# Altium PCB PCB1.PcbDoc (part 1 of 6)
Units mil, origin at the board's own origin, x right, y up, seen from the top; angles counter-clockwise.
Board outline 6000 x 4000 mil, 2 copper layers (Top Layer, Bottom Layer); 1225 components, 1503 nets, 4471 pads, 66 vias.
Unrouted connection lines stored in the file: 2021.
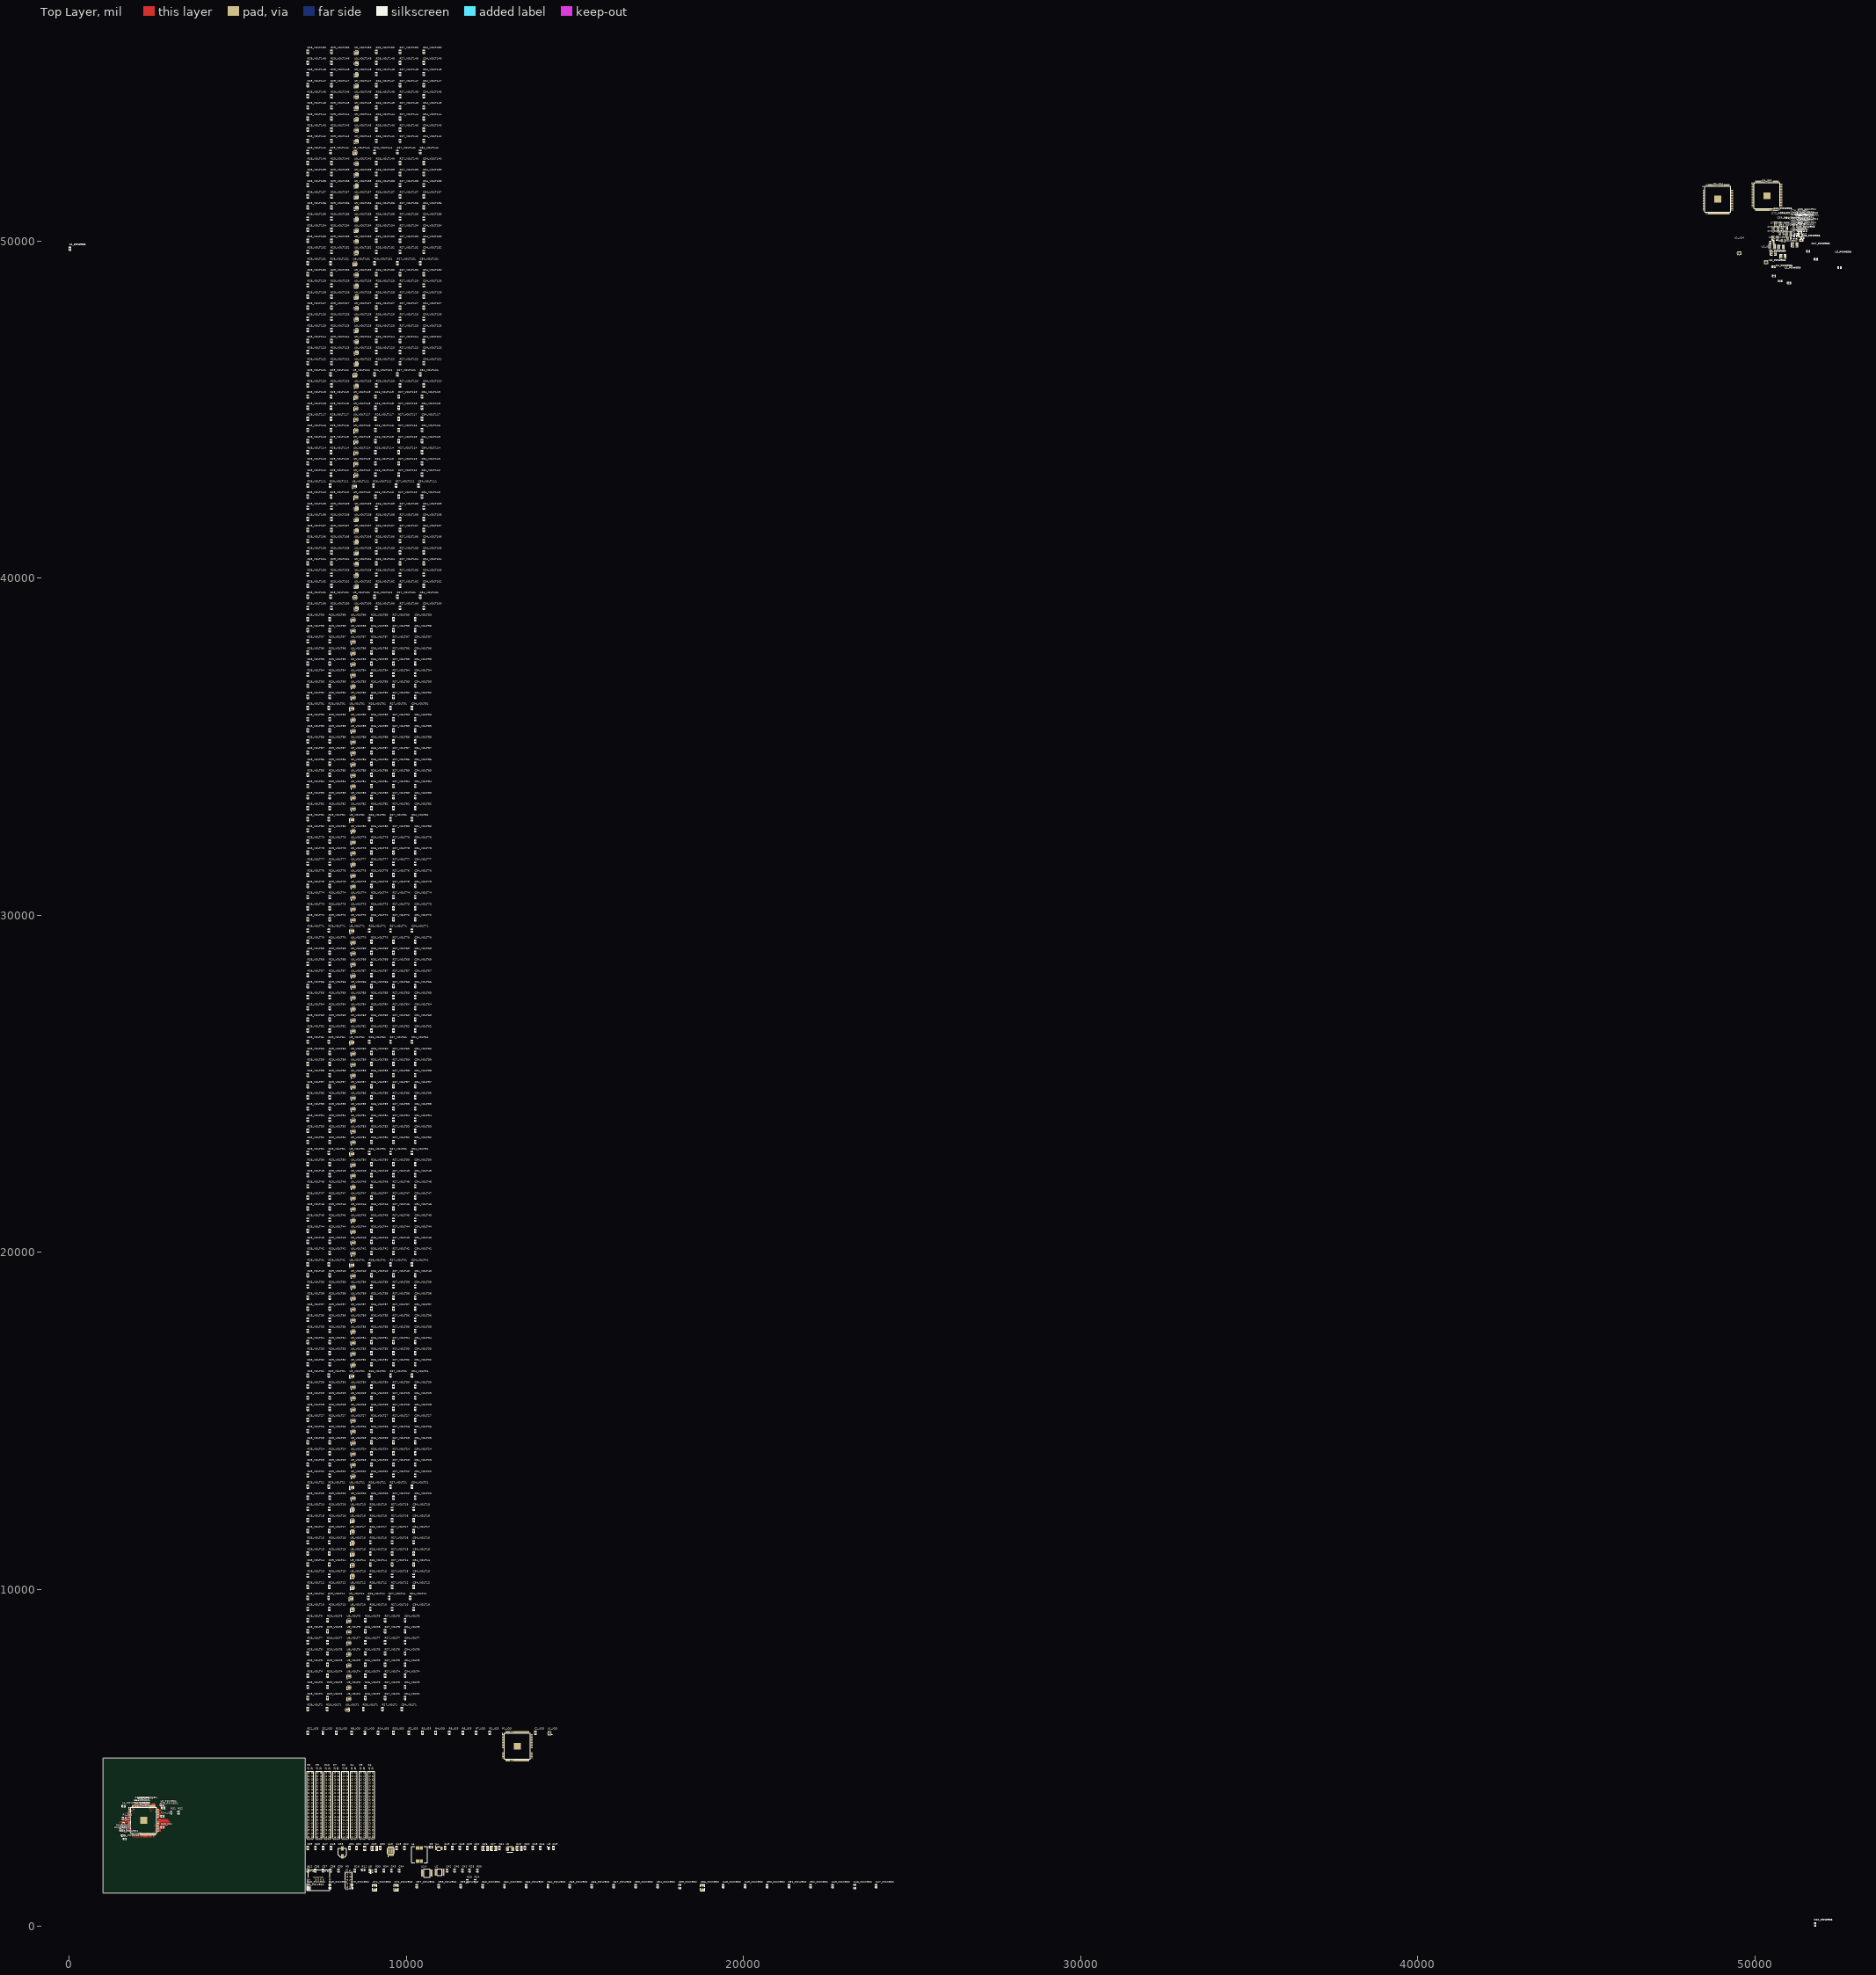
[diagram p0: Top Layer view]
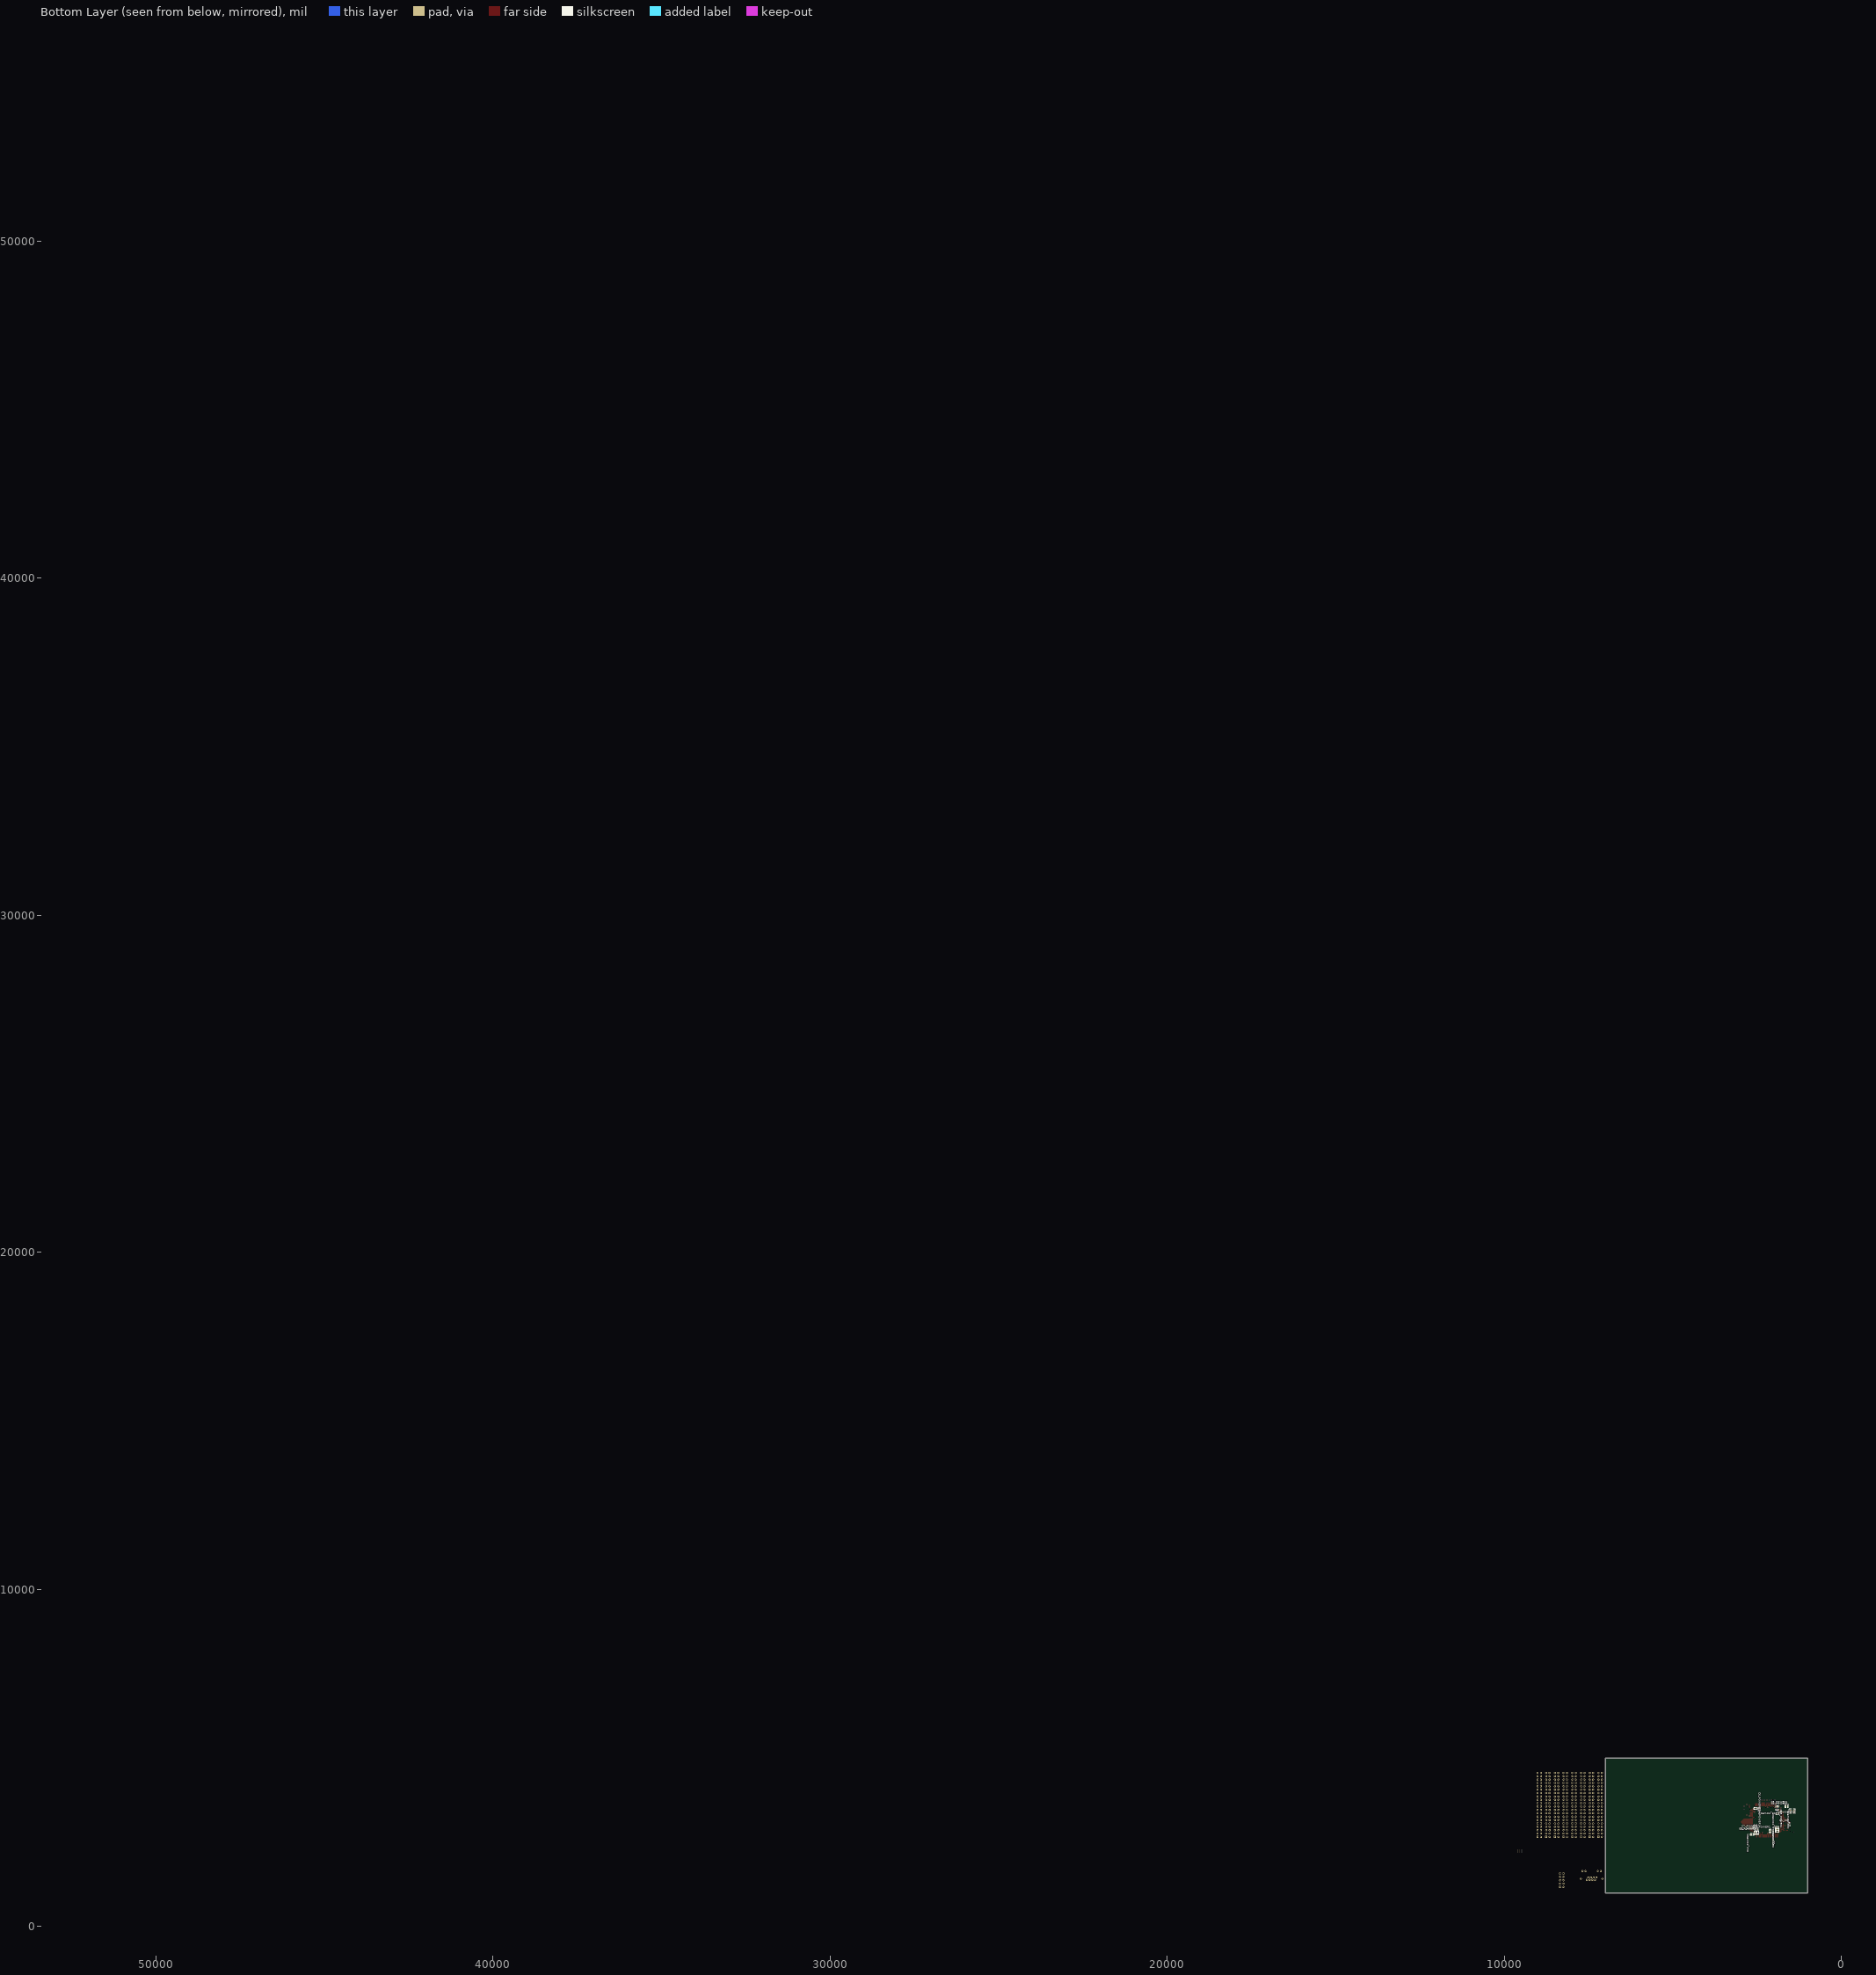
[diagram p1: Bottom Layer view, seen from below]

## Layer stack, top to bottom
Top Solder: solder mask 0.4, Solder Resist, Dk 3.5
Top Layer: signal copper 1.4
Dielectric 1: dielectric 12.6, FR-4, Dk 4.8
Bottom Layer: signal copper 1.4
Bottom Solder: solder mask 0.4, Solder Resist, Dk 3.5

## Board outline
1000,1000 7000,1000 7000,5000 1000,5000

## Design rules (kind name [scope] priority, off if disabled: settings)
Clearance [All] p1: gap=7 ignorepadtopadclearanceinfootprint=FALSE
ComponentClearance [All] p1: gap=0 collisioncheckmode=3 verticalgap=0 showdistances=FALSE
PolygonConnect [All] p1: connectstyle=Relief reliefconductorwidth=10 reliefentries=4 polygonreliefangle="90 Angle" airgapwidth=10
RoomDefinition POWER4 [InComponentClass('POWER4')] p1: confinementstyle=ConfineIn formatcopy=TRUE lockcomponents=FALSE outline 7045,1060 50385,1060 50385,50505 7045,50505
RoomDefinition POWER3 [InComponentClass('POWER3')] p2: confinementstyle=ConfineIn formatcopy=TRUE lockcomponents=FALSE outline 7045,1060 50385,1060 50385,50505 7045,50505
RoomDefinition POWER2 [InComponentClass('POWER2')] p3: confinementstyle=ConfineIn formatcopy=TRUE lockcomponents=FALSE outline 7045,1060 50385,1060 50385,50505 7045,50505
RoomDefinition POWER1 [InComponentClass('POWER1')] p4: confinementstyle=ConfineIn formatcopy=TRUE lockcomponents=FALSE outline 7045,1060 50385,1060 50385,50505 7045,50505
RoomDefinition VOLT150 [InComponentClass('VOLT150')] p5: confinementstyle=ConfineIn formatcopy=TRUE lockcomponents=FALSE outline 7045,55515 11150,55515 11150,55795 7045,55795
RoomDefinition VOLT149 [InComponentClass('VOLT149')] p6: confinementstyle=ConfineIn formatcopy=TRUE lockcomponents=FALSE outline 7045,55185 11150,55185 11150,55465 7045,55465
RoomDefinition VOLT148 [InComponentClass('VOLT148')] p7: confinementstyle=ConfineIn formatcopy=TRUE lockcomponents=FALSE outline 7045,54855 11150,54855 11150,55135 7045,55135
RoomDefinition VOLT147 [InComponentClass('VOLT147')] p8: confinementstyle=ConfineIn formatcopy=TRUE lockcomponents=FALSE outline 7045,54525 11150,54525 11150,54805 7045,54805
RoomDefinition VOLT146 [InComponentClass('VOLT146')] p9: confinementstyle=ConfineIn formatcopy=TRUE lockcomponents=FALSE outline 7045,54195 11150,54195 11150,54475 7045,54475
RoomDefinition VOLT145 [InComponentClass('VOLT145')] p10: confinementstyle=ConfineIn formatcopy=TRUE lockcomponents=FALSE outline 7045,53865 11150,53865 11150,54145 7045,54145
RoomDefinition VOLT144 [InComponentClass('VOLT144')] p11: confinementstyle=ConfineIn formatcopy=TRUE lockcomponents=FALSE outline 7045,53535 11150,53535 11150,53815 7045,53815
RoomDefinition VOLT143 [InComponentClass('VOLT143')] p12: confinementstyle=ConfineIn formatcopy=TRUE lockcomponents=FALSE outline 7045,53205 11150,53205 11150,53485 7045,53485
RoomDefinition VOLT142 [InComponentClass('VOLT142')] p13: confinementstyle=ConfineIn formatcopy=TRUE lockcomponents=FALSE outline 7045,52875 11150,52875 11150,53155 7045,53155
RoomDefinition VOLT141 [InComponentClass('VOLT141')] p14: confinementstyle=ConfineIn formatcopy=TRUE lockcomponents=FALSE outline 7045,52545 11030,52545 11030,52825 7045,52825
RoomDefinition VOLT140 [InComponentClass('VOLT140')] p15: confinementstyle=ConfineIn formatcopy=TRUE lockcomponents=FALSE outline 7045,52215 11150,52215 11150,52495 7045,52495
RoomDefinition VOLT139 [InComponentClass('VOLT139')] p16: confinementstyle=ConfineIn formatcopy=TRUE lockcomponents=FALSE outline 7045,51885 11150,51885 11150,52165 7045,52165
RoomDefinition VOLT138 [InComponentClass('VOLT138')] p17: confinementstyle=ConfineIn formatcopy=TRUE lockcomponents=FALSE outline 7045,51555 11150,51555 11150,51835 7045,51835
RoomDefinition VOLT137 [InComponentClass('VOLT137')] p18: confinementstyle=ConfineIn formatcopy=TRUE lockcomponents=FALSE outline 7045,51225 11150,51225 11150,51505 7045,51505
RoomDefinition VOLT136 [InComponentClass('VOLT136')] p19: confinementstyle=ConfineIn formatcopy=TRUE lockcomponents=FALSE outline 7045,50895 11150,50895 11150,51175 7045,51175
RoomDefinition VOLT135 [InComponentClass('VOLT135')] p20: confinementstyle=ConfineIn formatcopy=TRUE lockcomponents=FALSE outline 7045,50565 11150,50565 11150,50845 7045,50845
RoomDefinition VOLT134 [InComponentClass('VOLT134')] p21: confinementstyle=ConfineIn formatcopy=TRUE lockcomponents=FALSE outline 7045,50235 11150,50235 11150,50515 7045,50515
RoomDefinition VOLT133 [InComponentClass('VOLT133')] p22: confinementstyle=ConfineIn formatcopy=TRUE lockcomponents=FALSE outline 7045,49905 11150,49905 11150,50185 7045,50185
RoomDefinition VOLT132 [InComponentClass('VOLT132')] p23: confinementstyle=ConfineIn formatcopy=TRUE lockcomponents=FALSE outline 7045,49575 11150,49575 11150,49855 7045,49855
RoomDefinition VOLT131 [InComponentClass('VOLT131')] p24: confinementstyle=ConfineIn formatcopy=TRUE lockcomponents=FALSE outline 7045,49245 11030,49245 11030,49525 7045,49525
RoomDefinition VOLT130 [InComponentClass('VOLT130')] p25: confinementstyle=ConfineIn formatcopy=TRUE lockcomponents=FALSE outline 7045,48915 11150,48915 11150,49195 7045,49195
RoomDefinition VOLT129 [InComponentClass('VOLT129')] p26: confinementstyle=ConfineIn formatcopy=TRUE lockcomponents=FALSE outline 7045,48585 11150,48585 11150,48865 7045,48865
RoomDefinition VOLT128 [InComponentClass('VOLT128')] p27: confinementstyle=ConfineIn formatcopy=TRUE lockcomponents=FALSE outline 7045,48255 11150,48255 11150,48535 7045,48535
RoomDefinition VOLT127 [InComponentClass('VOLT127')] p28: confinementstyle=ConfineIn formatcopy=TRUE lockcomponents=FALSE outline 7045,47925 11150,47925 11150,48205 7045,48205
RoomDefinition VOLT126 [InComponentClass('VOLT126')] p29: confinementstyle=ConfineIn formatcopy=TRUE lockcomponents=FALSE outline 7045,47595 11150,47595 11150,47875 7045,47875
RoomDefinition VOLT125 [InComponentClass('VOLT125')] p30: confinementstyle=ConfineIn formatcopy=TRUE lockcomponents=FALSE outline 7045,47265 11150,47265 11150,47545 7045,47545
RoomDefinition VOLT124 [InComponentClass('VOLT124')] p31: confinementstyle=ConfineIn formatcopy=TRUE lockcomponents=FALSE outline 7045,46935 11150,46935 11150,47215 7045,47215
RoomDefinition VOLT123 [InComponentClass('VOLT123')] p32: confinementstyle=ConfineIn formatcopy=TRUE lockcomponents=FALSE outline 7045,46605 11150,46605 11150,46885 7045,46885
RoomDefinition VOLT122 [InComponentClass('VOLT122')] p33: confinementstyle=ConfineIn formatcopy=TRUE lockcomponents=FALSE outline 7045,46275 11150,46275 11150,46555 7045,46555
RoomDefinition VOLT121 [InComponentClass('VOLT121')] p34: confinementstyle=ConfineIn formatcopy=TRUE lockcomponents=FALSE outline 7045,45945 11030,45945 11030,46225 7045,46225
RoomDefinition VOLT120 [InComponentClass('VOLT120')] p35: confinementstyle=ConfineIn formatcopy=TRUE lockcomponents=FALSE outline 7045,45615 11150,45615 11150,45895 7045,45895
RoomDefinition VOLT119 [InComponentClass('VOLT119')] p36: confinementstyle=ConfineIn formatcopy=TRUE lockcomponents=FALSE outline 7045,45285 11090,45285 11090,45565 7045,45565
RoomDefinition VOLT118 [InComponentClass('VOLT118')] p37: confinementstyle=ConfineIn formatcopy=TRUE lockcomponents=FALSE outline 7045,44955 11090,44955 11090,45235 7045,45235
RoomDefinition VOLT117 [InComponentClass('VOLT117')] p38: confinementstyle=ConfineIn formatcopy=TRUE lockcomponents=FALSE outline 7045,44625 11090,44625 11090,44905 7045,44905
RoomDefinition VOLT116 [InComponentClass('VOLT116')] p39: confinementstyle=ConfineIn formatcopy=TRUE lockcomponents=FALSE outline 7045,44295 11090,44295 11090,44575 7045,44575
RoomDefinition VOLT115 [InComponentClass('VOLT115')] p40: confinementstyle=ConfineIn formatcopy=TRUE lockcomponents=FALSE outline 7045,43965 11090,43965 11090,44245 7045,44245
RoomDefinition VOLT114 [InComponentClass('VOLT114')] p41: confinementstyle=ConfineIn formatcopy=TRUE lockcomponents=FALSE outline 7045,43635 11090,43635 11090,43915 7045,43915
RoomDefinition VOLT113 [InComponentClass('VOLT113')] p42: confinementstyle=ConfineIn formatcopy=TRUE lockcomponents=FALSE outline 7045,43305 11090,43305 11090,43585 7045,43585
RoomDefinition VOLT112 [InComponentClass('VOLT112')] p43: confinementstyle=ConfineIn formatcopy=TRUE lockcomponents=FALSE outline 7045,42975 11090,42975 11090,43255 7045,43255
RoomDefinition VOLT111 [InComponentClass('VOLT111')] p44: confinementstyle=ConfineIn formatcopy=TRUE lockcomponents=FALSE outline 7045,42645 10970,42645 10970,42925 7045,42925
RoomDefinition VOLT110 [InComponentClass('VOLT110')] p45: confinementstyle=ConfineIn formatcopy=TRUE lockcomponents=FALSE outline 7045,42315 11090,42315 11090,42595 7045,42595
RoomDefinition VOLT109 [InComponentClass('VOLT109')] p46: confinementstyle=ConfineIn formatcopy=TRUE lockcomponents=FALSE outline 7045,41985 11150,41985 11150,42265 7045,42265
RoomDefinition VOLT108 [InComponentClass('VOLT108')] p47: confinementstyle=ConfineIn formatcopy=TRUE lockcomponents=FALSE outline 7045,41655 11150,41655 11150,41935 7045,41935
RoomDefinition VOLT107 [InComponentClass('VOLT107')] p48: confinementstyle=ConfineIn formatcopy=TRUE lockcomponents=FALSE outline 7045,41325 11150,41325 11150,41605 7045,41605
RoomDefinition VOLT106 [InComponentClass('VOLT106')] p49: confinementstyle=ConfineIn formatcopy=TRUE lockcomponents=FALSE outline 7045,40995 11150,40995 11150,41275 7045,41275
RoomDefinition VOLT105 [InComponentClass('VOLT105')] p50: confinementstyle=ConfineIn formatcopy=TRUE lockcomponents=FALSE outline 7045,40665 11150,40665 11150,40945 7045,40945
RoomDefinition VOLT104 [InComponentClass('VOLT104')] p51: confinementstyle=ConfineIn formatcopy=TRUE lockcomponents=FALSE outline 7045,40335 11150,40335 11150,40615 7045,40615
RoomDefinition VOLT103 [InComponentClass('VOLT103')] p52: confinementstyle=ConfineIn formatcopy=TRUE lockcomponents=FALSE outline 7045,40005 11150,40005 11150,40285 7045,40285
RoomDefinition VOLT102 [InComponentClass('VOLT102')] p53: confinementstyle=ConfineIn formatcopy=TRUE lockcomponents=FALSE outline 7045,39675 11150,39675 11150,39955 7045,39955
RoomDefinition VOLT101 [InComponentClass('VOLT101')] p54: confinementstyle=ConfineIn formatcopy=TRUE lockcomponents=FALSE outline 7045,39345 11030,39345 11030,39625 7045,39625
RoomDefinition VOLT100 [InComponentClass('VOLT100')] p55: confinementstyle=ConfineIn formatcopy=TRUE lockcomponents=FALSE outline 7045,39015 11150,39015 11150,39295 7045,39295
RoomDefinition VOLT99 [InComponentClass('VOLT99')] p56: confinementstyle=ConfineIn formatcopy=TRUE lockcomponents=FALSE outline 7045,38685 10850,38685 10850,38965 7045,38965
RoomDefinition VOLT98 [InComponentClass('VOLT98')] p57: confinementstyle=ConfineIn formatcopy=TRUE lockcomponents=FALSE outline 7045,38355 10850,38355 10850,38635 7045,38635
RoomDefinition VOLT97 [InComponentClass('VOLT97')] p58: confinementstyle=ConfineIn formatcopy=TRUE lockcomponents=FALSE outline 7045,38025 10850,38025 10850,38305 7045,38305
RoomDefinition VOLT96 [InComponentClass('VOLT96')] p59: confinementstyle=ConfineIn formatcopy=TRUE lockcomponents=FALSE outline 7045,37695 10850,37695 10850,37975 7045,37975
RoomDefinition VOLT95 [InComponentClass('VOLT95')] p60: confinementstyle=ConfineIn formatcopy=TRUE lockcomponents=FALSE outline 7045,37365 10850,37365 10850,37645 7045,37645
RoomDefinition VOLT94 [InComponentClass('VOLT94')] p61: confinementstyle=ConfineIn formatcopy=TRUE lockcomponents=FALSE outline 7045,37035 10850,37035 10850,37315 7045,37315
RoomDefinition VOLT93 [InComponentClass('VOLT93')] p62: confinementstyle=ConfineIn formatcopy=TRUE lockcomponents=FALSE outline 7045,36705 10850,36705 10850,36985 7045,36985
RoomDefinition VOLT92 [InComponentClass('VOLT92')] p63: confinementstyle=ConfineIn formatcopy=TRUE lockcomponents=FALSE outline 7045,36375 10850,36375 10850,36655 7045,36655
RoomDefinition VOLT91 [InComponentClass('VOLT91')] p64: confinementstyle=ConfineIn formatcopy=TRUE lockcomponents=FALSE outline 7045,36045 10730,36045 10730,36325 7045,36325
RoomDefinition VOLT90 [InComponentClass('VOLT90')] p65: confinementstyle=ConfineIn formatcopy=TRUE lockcomponents=FALSE outline 7045,35715 10850,35715 10850,35995 7045,35995
RoomDefinition VOLT89 [InComponentClass('VOLT89')] p66: confinementstyle=ConfineIn formatcopy=TRUE lockcomponents=FALSE outline 7045,35385 10850,35385 10850,35665 7045,35665
RoomDefinition VOLT88 [InComponentClass('VOLT88')] p67: confinementstyle=ConfineIn formatcopy=TRUE lockcomponents=FALSE outline 7045,35055 10850,35055 10850,35335 7045,35335
RoomDefinition VOLT87 [InComponentClass('VOLT87')] p68: confinementstyle=ConfineIn formatcopy=TRUE lockcomponents=FALSE outline 7045,34725 10850,34725 10850,35005 7045,35005
RoomDefinition VOLT86 [InComponentClass('VOLT86')] p69: confinementstyle=ConfineIn formatcopy=TRUE lockcomponents=FALSE outline 7045,34395 10850,34395 10850,34675 7045,34675
RoomDefinition VOLT85 [InComponentClass('VOLT85')] p70: confinementstyle=ConfineIn formatcopy=TRUE lockcomponents=FALSE outline 7045,34065 10850,34065 10850,34345 7045,34345
RoomDefinition VOLT84 [InComponentClass('VOLT84')] p71: confinementstyle=ConfineIn formatcopy=TRUE lockcomponents=FALSE outline 7045,33735 10850,33735 10850,34015 7045,34015
RoomDefinition VOLT83 [InComponentClass('VOLT83')] p72: confinementstyle=ConfineIn formatcopy=TRUE lockcomponents=FALSE outline 7045,33405 10850,33405 10850,33685 7045,33685
RoomDefinition VOLT82 [InComponentClass('VOLT82')] p73: confinementstyle=ConfineIn formatcopy=TRUE lockcomponents=FALSE outline 7045,33075 10850,33075 10850,33355 7045,33355
RoomDefinition VOLT81 [InComponentClass('VOLT81')] p74: confinementstyle=ConfineIn formatcopy=TRUE lockcomponents=FALSE outline 7045,32745 10730,32745 10730,33025 7045,33025
RoomDefinition VOLT80 [InComponentClass('VOLT80')] p75: confinementstyle=ConfineIn formatcopy=TRUE lockcomponents=FALSE outline 7045,32415 10850,32415 10850,32695 7045,32695
RoomDefinition VOLT79 [InComponentClass('VOLT79')] p76: confinementstyle=ConfineIn formatcopy=TRUE lockcomponents=FALSE outline 7045,32085 10850,32085 10850,32365 7045,32365
RoomDefinition VOLT78 [InComponentClass('VOLT78')] p77: confinementstyle=ConfineIn formatcopy=TRUE lockcomponents=FALSE outline 7045,31755 10850,31755 10850,32035 7045,32035
RoomDefinition VOLT77 [InComponentClass('VOLT77')] p78: confinementstyle=ConfineIn formatcopy=TRUE lockcomponents=FALSE outline 7045,31425 10850,31425 10850,31705 7045,31705
RoomDefinition VOLT76 [InComponentClass('VOLT76')] p79: confinementstyle=ConfineIn formatcopy=TRUE lockcomponents=FALSE outline 7045,31095 10850,31095 10850,31375 7045,31375
RoomDefinition VOLT75 [InComponentClass('VOLT75')] p80: confinementstyle=ConfineIn formatcopy=TRUE lockcomponents=FALSE outline 7045,30765 10850,30765 10850,31045 7045,31045
RoomDefinition VOLT74 [InComponentClass('VOLT74')] p81: confinementstyle=ConfineIn formatcopy=TRUE lockcomponents=FALSE outline 7045,30435 10850,30435 10850,30715 7045,30715
RoomDefinition VOLT73 [InComponentClass('VOLT73')] p82: confinementstyle=ConfineIn formatcopy=TRUE lockcomponents=FALSE outline 7045,30105 10850,30105 10850,30385 7045,30385
RoomDefinition VOLT72 [InComponentClass('VOLT72')] p83: confinementstyle=ConfineIn formatcopy=TRUE lockcomponents=FALSE outline 7045,29775 10850,29775 10850,30055 7045,30055
RoomDefinition VOLT71 [InComponentClass('VOLT71')] p84: confinementstyle=ConfineIn formatcopy=TRUE lockcomponents=FALSE outline 7045,29445 10730,29445 10730,29725 7045,29725
RoomDefinition VOLT70 [InComponentClass('VOLT70')] p85: confinementstyle=ConfineIn formatcopy=TRUE lockcomponents=FALSE outline 7045,29115 10850,29115 10850,29395 7045,29395
RoomDefinition VOLT69 [InComponentClass('VOLT69')] p86: confinementstyle=ConfineIn formatcopy=TRUE lockcomponents=FALSE outline 7045,28785 10850,28785 10850,29065 7045,29065
RoomDefinition VOLT68 [InComponentClass('VOLT68')] p87: confinementstyle=ConfineIn formatcopy=TRUE lockcomponents=FALSE outline 7045,28455 10850,28455 10850,28735 7045,28735
RoomDefinition VOLT67 [InComponentClass('VOLT67')] p88: confinementstyle=ConfineIn formatcopy=TRUE lockcomponents=FALSE outline 7045,28125 10850,28125 10850,28405 7045,28405
RoomDefinition VOLT66 [InComponentClass('VOLT66')] p89: confinementstyle=ConfineIn formatcopy=TRUE lockcomponents=FALSE outline 7045,27795 10850,27795 10850,28075 7045,28075
RoomDefinition VOLT65 [InComponentClass('VOLT65')] p90: confinementstyle=ConfineIn formatcopy=TRUE lockcomponents=FALSE outline 7045,27465 10850,27465 10850,27745 7045,27745